# KiCad board handheld.kicad_pcb (continued)
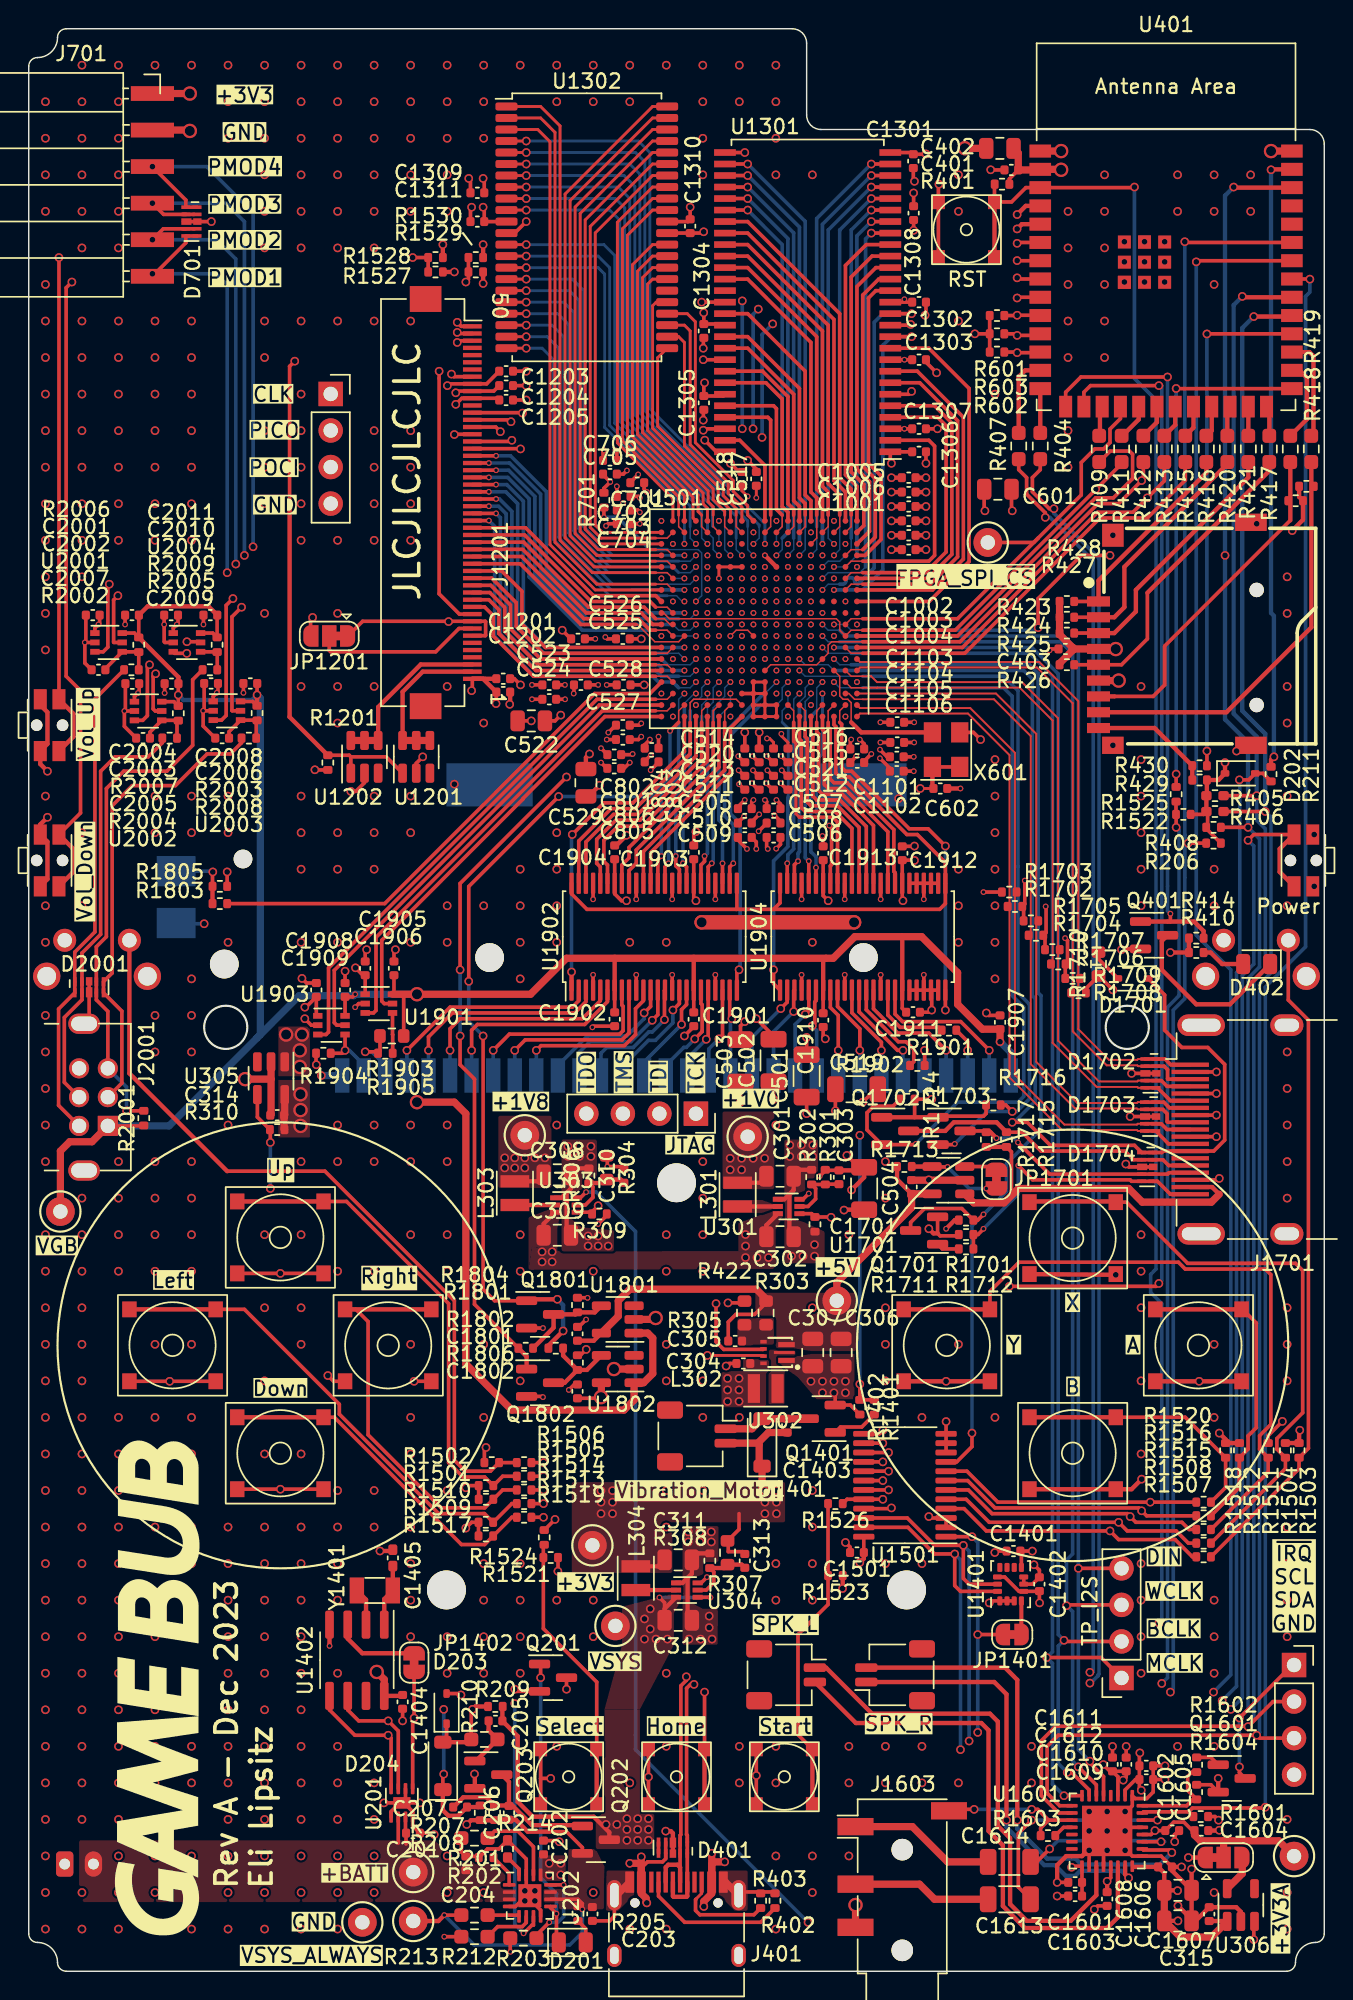
[diagram p0: board, top side]
## Routing (per net, layer and track width the routed paths; a pad name or vN(x,y) marks a point on that pad's centre or on a via; arc(x,y) is an arc through that point) (continued)
/Buttons/BTN_Right_s: length 28.8
  F.Cu (SIG) w0.25: R1514.2 32.96,33.45 R1510.2 31.72,32.2 28.68,32.2 23.6,37.28 23.6,45.15 22.75,46 SW1506.1
  F.Cu (SIG) w0.3: SW1506.1 SW1506.1
/Buttons/BTN_Select_s: length 19.5
  F.Cu (SIG) w0.25: 35.79,29.58 R1521.2 35.79,23.81 39.5,20.1 SW1511.1
  F.Cu (SIG) w0.3: SW1511.1 SW1511.1
/Buttons/BTN_Start_s: length 22.2
  F.Cu (SIG) w0.25: R1526.2 55.59,25.49 53.5,23.4 53.5,16.44 SW1513.1
  F.Cu (SIG) w0.3: SW1513.1 SW1513.1
/Buttons/BTN_Up_s: length 34.4
  F.Cu (SIG) w0.25: R1505.2 32.96,34.4 R1501.2 31.71,34.35 30.2,34.35 29.2,35.35 29.2,46.4 22.1,53.5 SW1501.1
  F.Cu (SIG) w0.3: SW1501.1 SW1501.1
/Buttons/BTN_Vol_Down_s: length 73.2
  F.Cu (SIG) w0.25: SW1515.1 3.6,80.5 3.6,89 2.6,90 2.6,117 v2(3,117.4) ; v2(30.4,117.4) 30.58,117.58 R1529.2 R1530.2
  F.Cu (SIG) w0.3: SW1515.1 3.1,76.4 3.1,78 SW1515.1
  In2.Cu (SIG) w0.25: v2(30.4,117.4) v2(3,117.4)
/Buttons/BTN_Vol_Up_s: length 61.8
  F.Cu (SIG) w0.25: R1527.2 R1528.2 v2(26.7,119.1) ; v2(2.1,119.1) SW1514.1
  F.Cu (SIG) w0.3: SW1514.1 3.1,87.4 3.1,85.8 SW1514.1
  In2.Cu (SIG) w0.25: v2(26.7,119.1) v2(2.1,119.1)
/Buttons/BTN_X_s: length 43.1
  F.Cu (SIG) w0.25: SW1504.1 76.35,53.45 80.6,49.2 88.1,49.2 88.6,48.7 88.6,38.81 86.81,37.02 86.81,36.28 R1504.2 87.4,34.93 R1508.2
  F.Cu (SIG) w0.3: 69.6,53.5 75.6,53.5
/Buttons/BTN_Y_s: length 47.9
  F.Cu (SIG) w0.25: SW1507.1 66.85,47.25 68.88,49.28 79.96,49.28 80.43,48.8 86,48.8 86.38,48.42 86.38,38 85.6,37.22 85.6,36.28 R1511.2 86.2,34.68 R1515.2
  F.Cu (SIG) w0.3: SW1507.1 SW1507.1
/ESP32-S3/ESP32_SDIO_CLK: length 1.8
  F.Cu (SIG) w0.3: R417.1 86.28,108.55
/ESP32-S3/ESP32_SDIO_CMD: length 2
  F.Cu (SIG) w0.3: R421.1 84.82,108.73
/ESP32-S3/ESP32_SDIO_D0: length 5.2
  F.Cu (SIG) w0.3: 88.38,111.26 88.9,110.74 88.9,107.87 R418.2
/ESP32-S3/ESP32_SDIO_D1: length 7
  F.Cu (SIG) w0.3: U401.29 89.07,112.53 89.35,112.25 89.35,106.86
/ESP32-S3/ESP32_SDIO_D2: length 2.2
  F.Cu (SIG) w0.3: 81.91,106.71 82.28,107.08 U401.23
/ESP32-S3/ESP32_SDIO_D3: length 1.8
  F.Cu (SIG) w0.3: R420.1 83.36,108.56
/ESP32-S3/ESP32_SPI2_CLK: length 2.4
  F.Cu (SIG) w0.3: R412.1 78.47,107.66 U401.20
/ESP32-S3/ESP32_SPI2_D0: length 2.5
  F.Cu (SIG) w0.3: U401.19 77.19,107.85 76.06,106.71
/ESP32-S3/ESP32_SPI2_D1: length 2.3
  F.Cu (SIG) w0.3: R413.1 79.74,107.47 79.74,108.74
/ESP32-S3/ESP32_SPI2_D2: length 2.3
  F.Cu (SIG) w0.3: U401.22 81,107.28 R415.1
/ESP32-S3/ESP32_SPI2_D3: length 1.9
  F.Cu (SIG) w0.3: 74.5,106.71 74.5,108.59
/ESP32-S3/ESP32_USB_D+: length 3
  F.Cu (SIG) w0.3: U401.14 70.35,106.96
/ESP32-S3/ESP32_USB_D-: length 5.6
  F.Cu (SIG) w0.3: U401.13 69.3,111.26 68.85,110.81 R407.1
/ESP32-S3/SD_Detect: length 35.9
  F.Cu (SIG) w0.25: v2(81.94,113.79) 81.95,113.8 U401.30 ; R430.2 v2(81.94,84.8)
  B.Cu (SIG) w0.25: v2(81.94,113.79) v2(81.94,84.8)
/ESP32-S3/SD_Detect_s: length 8.6
  F.Cu (SIG) w0.3: J402.9 78.3,86.4 R430.1 R429.1
/ESP32-S3/SDIO_CLK: length 21.6
  F.Cu (SIG) w0.25: 77.8,95.8 77.8,92.6 76,90.8 J402.5 R426.2
  F.Cu (SIG) w0.3: 77.8,95.8 86.28,104.28 R417.2
/ESP32-S3/SDIO_CMD: length 18.5
  F.Cu (SIG) w0.25: R425.2 J402.3
  F.Cu (SIG) w0.3: J402.3 75.5,93 77,94.5 77,96 84.82,103.82 R421.2
/ESP32-S3/SDIO_D0: length 24
  F.Cu (SIG) w0.25: 87.74,100.84 79,92.1 79,89.4 78.2,88.6 75.5,88.6
  F.Cu (SIG) w0.3: 75.5,88.6 J402.7 ; R418.1 87.74,100.84
/ESP32-S3/SDIO_D1: length 28.7
  F.Cu (SIG) w0.3: J402.8 83.3,87.5 89.2,93.4 R419.1
/ESP32-S3/SDIO_D2: length 14.5
  F.Cu (SIG) w0.25: R423.2 J402.1
  F.Cu (SIG) w0.3: J402.1 74.4,96.65 81.9,104.15 R416.2
/ESP32-S3/SDIO_D3/~{CS}: length 16.7
  F.Cu (SIG) w0.25: R424.2 J402.2
  F.Cu (SIG) w0.3: J402.2 75.5,94.1 76.2,94.8 76.2,97.6 83.36,104.76
/ESP32-S3/STATUS_LED: length 51.6
  F.Cu (SIG) w0.25: v2(79.2,110.8) 73.18,110.8 72.12,109.74 72.12,108.74 ; v1(79.4,73.5) 79.4,72.95
  F.Cu (SIG) w0.3: R414.2 81.71,72.29 81.05,72.95 Q401.1
  B.Cu (SIG) w0.25: v1(79.4,73.5) 79.2,73.7 v2(79.2,110.8)
/ESP32-S3/Status_LED_A: length 3.1
  F.Cu (SIG) w0.3: R410.2 82.2,70.8 83,70 D402.2
/ESP32-S3/Status_LED_K: length 12.3
  F.Cu (SIG) w0.3: D402.1 83.54,67.2 81.2,67.2 78.8,69.6 78.8,71.6 Q401.3
/ESP32-S3/USB_CC1: length 10.4
  F.Cu (SIG) w0.25: 52,4.49 50.91,3.4 45.62,3.4 43.8,5.22 J401.A5
/ESP32-S3/USB_CC2: length 7.1
  F.Cu (SIG) w0.2: 46.4,5 46.4,5.01 46.8,5.41 J401.B5
  F.Cu (SIG) w0.25: 46.4,5 46.38,4.97 46.38,4.22 46.68,3.93 50.44,3.93 51,4.49
/ESP32-S3/USB_D+: length 132.9
  F.Cu (SIG) w0.25: v2(71.3,101.64) 70.98,101.64 69.8,102.83 69.8,103.81 70.35,104.36 R404.2 ; v2(46.27,19.93) 46.02,19.93 45.75,19.67 45.75,9.49 45.8,9.44 D401.1 D401.10 J401.B6
  F.Cu (SIG) w0.3: J401.A6 44.8,5.22 44.85,5.17 45.75,5.17 45.8,5.22 J401.B6
  In2.Cu (SIG) w0.25: v2(73.8,20.03) 73.62,20.2 46.28,20.2 46.27,20.18 v2(46.27,19.93) 46.4,20.07
  B.Cu (SIG) w0.25: v2(73.8,20.03) 73.97,20.2 74.04,20.2 74.38,20.54 74.38,20.6 74.43,20.66 74.43,98.19 71.3,101.33 v2(71.3,101.64)
/ESP32-S3/USB_D-: length 131.7
  F.Cu (SIG) w0.25: 45.3,7.22 D401.9 D401.2 45.3,9.44 45.35,9.49 45.35,19.83 45.73,20.22 v2(45.73,20.47) ; R407.2 68.85,104.36 69.4,103.81 69.4,102.66 70.7,101.36 v2(70.7,101.04)
  F.Cu (SIG) w0.3: J401.B7 44.3,7.22 44.48,7.4 45.12,7.4 45.3,7.22 J401.A7
  In2.Cu (SIG) w0.25: v2(73.8,20.78) 73.62,20.6 46.12,20.6 45.98,20.47 v2(45.73,20.47)
  B.Cu (SIG) w0.25: v2(73.8,20.78) 73.98,20.78 74.03,20.82 74.03,98.03 71.02,101.04 v2(70.7,101.04)
/FPGA Config/FPGA_JTAG_TCK: length 41.6
  In2.Cu (SIG) w0.1: 49.6,88.8 50,89.2 50,90 v1(50.4,90.4)
  In2.Cu (SIG) w0.25: 49.6,88.8 49.6,87.36 48.4,86.16 48.4,83.1 46.1,80.8 41.4,80.8 41,80.4 41,61.8 41.4,61.4 44.6,61.4 J601.1
/FPGA Config/FPGA_JTAG_TDI: length 39.6
  In2.Cu (SIG) w0.1: v1(49.6,90.4) 49.2,90 49.2,88.4
  In2.Cu (SIG) w0.25: J601.2 42.46,61 41,61 40.6,61.4 40.6,80.8 41,81.2 45.93,81.2 48,83.27 48,87.2 49.2,88.4
/FPGA Config/FPGA_JTAG_TDO: length 37.7
  In2.Cu (SIG) w0.1: v1(48,90.4) 48,90.13 47.6,89.73 47.6,88.4
  In2.Cu (SIG) w0.25: 47.6,88.4 47.2,88 47.2,83.6 45.6,82 40.4,82 39.8,81.4 39.8,60.62 J601.4
/FPGA Config/FPGA_JTAG_TMS: length 37.9
  In2.Cu (SIG) w0.1: v1(48.8,90.4) 48.4,90 48.4,88.4
  In2.Cu (SIG) w0.25: 48.4,88.4 47.6,87.6 47.6,83.43 45.77,81.6 40.6,81.6 40.2,81.2 40.2,60.72 J601.3
/FPGA IO Bank 14/FPGA_PUDC_B: length 12
  F.Cu (SIG) w0.25: R701.1 v1(40,101.05)
  B.Cu (SIG) w0.1: 44.4,98.8 46.57,98.8 46.8,98.57 46.8,95.6 v1(46.4,95.2)
  B.Cu (SIG) w0.25: 44.4,98.8 43.2,98.8 40.95,101.05 v1(40,101.05)
/FPGA IO Bank 14/PMOD_1: length 64
  F.Cu (SIG) w0.25: J701.6 10.92,120.12 D701.5 D701.6
  In2.Cu (SIG) w0.1: 43.6,97.2 44.4,97.2 45.2,96.4 46.8,96.4 v1(47.2,96)
  In2.Cu (SIG) w0.25: 43.6,97.2 v2(13.8,97.2)
  B.Cu (SIG) w0.25: v2(13.8,97.2) 13.8,117.2 13.03,117.97 v2(8.6,117.97)
/FPGA IO Bank 14/PMOD_2: length 64.2
  F.Cu (SIG) w0.25: D701.4 9.36,121.1 v2(8.6,120.34) ; 10.72,121.1 11.5,121.1
  In2.Cu (SIG) w0.1: 45.2,97.2 46.8,97.2 v1(47.2,96.8)
  In2.Cu (SIG) w0.25: 45.2,97.2 44.8,97.6 14.6,97.6 v2(14.4,97.8)
  B.Cu (SIG) w0.25: v2(8.6,120.34) 13.06,120.34 14.4,119 v2(14.4,97.8)
/FPGA IO Bank 14/PMOD_3: length 66.1
  F.Cu (SIG) w0.25: D701.2 9.38,122.1 v2(8.6,122.88) ; 10.72,122.1 11.5,122.1
  In2.Cu (SIG) w0.1: v1(47.2,97.6) 46.8,98 45.2,98
  In2.Cu (SIG) w0.25: 45.2,98 15.4,98 v2(15,98.4)
  B.Cu (SIG) w0.25: v2(8.6,122.88) 13.72,122.88 15,121.6 v2(15,98.4)
/FPGA IO Bank 14/PMOD_4: length 71.4
  F.Cu (SIG) w0.25: v2(8.6,125.42) 10.92,123.09 D701.1 D701.10
  In2.Cu (SIG) w0.1: 45.2,98.8 47.4,98.8 47.6,98.6 47.6,96.4 v1(48,96)
  In2.Cu (SIG) w0.25: 45.2,98.8 44.8,98.4 16.2,98.4 v2(15.6,99)
  B.Cu (SIG) w0.25: v2(15.6,99) 15.6,122.2 12.38,125.42 v2(8.6,125.42)
/FPGA IO Bank 16/BANK16_VCCO: length 11.2
  F.Cu (SIG) w0.2: U501.B10 U501.B8 U501.A8 U501.A10 U501.D10 U501.D9 U501.A9 ; U501.C9 U501.C10
  F.Cu (SIG) w0.25: U501.C11 U501.C10
/Game Boy Interfaces/Game Boy Cartridge/Cart_A16: length 9.5
  F.Cu (SIG) w0.25: U1902.12 43.25,67.05 v2(42.8,66.6)
  B.Cu (SIG) w0.25: 36.8,62.95 38.85,65 41.6,65 42.8,66.2 v2(42.8,66.6)
/Game Boy Interfaces/Game Boy Cartridge/Cart_A17: length 12.4
  F.Cu (SIG) w0.25: U1902.11 42.75,67.45 42.2,66.9 42.2,65.1 41.43,64.33 35.63,64.33 v2(35.3,64)
  B.Cu (SIG) w0.25: J1901.23 v2(35.3,64)
/Game Boy Interfaces/Game Boy Cartridge/Cart_A18: length 13.2
  F.Cu (SIG) w0.25: v2(33.8,64) 34.53,64.73 41.26,64.73 41.75,65.22 U1902.9
  B.Cu (SIG) w0.25: J1901.24 v2(33.8,64)
/Game Boy Interfaces/Game Boy Cartridge/Cart_A19: length 14.2
  F.Cu (SIG) w0.25: U1902.8 41.25,67.15 41.34,67.06 41.34,65.37 41.1,65.13 33.43,65.13 v2(32.3,64)
  B.Cu (SIG) w0.25: J1901.25 v2(32.3,64)
/Game Boy Interfaces/Game Boy Cartridge/Cart_A20: length 14.2
  F.Cu (SIG) w0.25: U1902.6 40.25,67.38 38.67,65.8 31.2,65.8 30.8,65.4 v2(30.8,64)
  B.Cu (SIG) w0.25: J1901.26 v2(30.8,64)
/Game Boy Interfaces/Game Boy Cartridge/Cart_A21: length 15.2
  F.Cu (SIG) w0.25: U1902.5 39.75,67.45 38.5,66.2 30,66.2 29.3,65.5 v2(29.3,64)
  B.Cu (SIG) w0.25: J1901.27 v2(29.3,64)
/Game Boy Interfaces/Game Boy Cartridge/Cart_A22: length 15.5
  F.Cu (SIG) w0.25: U1902.3 38.75,67.38 37.97,66.6 29.47,66.6 27.8,64.93 v2(27.8,64)
  B.Cu (SIG) w0.25: J1901.28 v2(27.8,64)
/Game Boy Interfaces/Game Boy Cartridge/Cart_A23: length 15.9
  F.Cu (SIG) w0.25: U1902.2 38.25,67.45 37.8,67 29.3,67 v2(26.3,64)
  B.Cu (SIG) w0.25: J1901.29 v2(26.3,64)
/Game Boy Interfaces/Game Boy Cartridge/Cart_AD0: length 7.4
  F.Cu (SIG) w0.25: v2(60.8,64) 60.43,64 57.75,66.68 U1904.12
  B.Cu (SIG) w0.25: J1901.6 v2(60.8,64)
/Game Boy Interfaces/Game Boy Cartridge/Cart_AD1: length 6.8
  F.Cu (SIG) w0.25: U1904.11 57.25,66.61 59.3,64.56 v2(59.3,64)
  B.Cu (SIG) w0.25: J1901.7 v2(59.3,64)
/Game Boy Interfaces/Game Boy Cartridge/Cart_AD2: length 6.6
  F.Cu (SIG) w0.25: v2(57.8,64) 57.8,65.5 56.25,67.05 U1904.9
  B.Cu (SIG) w0.25: J1901.8 v2(57.8,64)
/Game Boy Interfaces/Game Boy Cartridge/Cart_AD3: length 6.2
  F.Cu (SIG) w0.25: U1904.8 55.75,66.98 56.3,66.43 v2(56.3,64)
  B.Cu (SIG) w0.25: J1901.9 v2(56.3,64)
/Game Boy Interfaces/Game Boy Cartridge/Cart_AD4: length 6.2
  F.Cu (SIG) w0.25: v2(54.49,65.7) 54.66,65.87 54.66,67.37 54.75,67.45 U1904.6
  B.Cu (SIG) w0.25: v2(54.49,65.7) 54.8,65.39 J1901.10
/Game Boy Interfaces/Game Boy Cartridge/Cart_AD5: length 6.3
  F.Cu (SIG) w0.25: v2(54,66.5) 54.25,66.75 U1904.5
  B.Cu (SIG) w0.25: v2(54,66.5) 53.3,65.8 J1901.11
/Game Boy Interfaces/Game Boy Cartridge/Cart_AD6: length 6.5
  F.Cu (SIG) w0.25: v2(53.2,66.7) 53.2,68.14 U1904.3
  B.Cu (SIG) w0.25: v2(53.2,66.7) 51.8,65.3 J1901.12
/Game Boy Interfaces/Game Boy Cartridge/Cart_AD7: length 7
  F.Cu (SIG) w0.25: U1904.2 52.75,67.35 v2(52.3,66.9)
  B.Cu (SIG) w0.25: J1901.13 50.3,64.9 v2(52.3,66.9)
/Game Boy Interfaces/Game Boy Cartridge/Cart_AD8: length 6
  F.Cu (SIG) w0.25: v2(48.9,66.2) 48.75,66.35 U1902.23
  B.Cu (SIG) w0.25: J1901.14 48.8,66.1 v2(48.9,66.2)
/Game Boy Interfaces/Game Boy Cartridge/Cart_AD9: length 6.3
  F.Cu (SIG) w0.25: U1902.22 48.25,65.05 v2(48,64.8)
  B.Cu (SIG) w0.25: v2(48,64.8) 47.3,64.1 J1901.15
/Game Boy Interfaces/Game Boy Cartridge/Cart_AD10: length 6.5
  F.Cu (SIG) w0.25: U1902.20 47.25,64.9 v2(47.12,64.77)
  B.Cu (SIG) w0.25: J1901.16 45.8,63.45 v2(47.12,64.77)
/Game Boy Interfaces/Game Boy Cartridge/Cart_AD11: length 7.1
  F.Cu (SIG) w0.25: v2(46.32,64.79) 46.84,65.31 46.84,67.17 46.75,67.25 U1902.19
  B.Cu (SIG) w0.25: J1901.17 44.3,62.95 45.56,64.21 45.73,64.21 v2(46.32,64.79)
/Game Boy Interfaces/Game Boy Cartridge/Cart_AD12: length 6.2
  F.Cu (SIG) w0.25: U1902.17 45.75,67.18 45.4,66.83 v2(45.4,65.8)
  B.Cu (SIG) w0.25: 42.8,63.2 v2(45.4,65.8)
/Game Boy Interfaces/Game Boy Cartridge/Cart_AD13: length 7.2
  F.Cu (SIG) w0.25: v2(44.8,66.8) 45.25,67.25 U1902.16
  B.Cu (SIG) w0.25: v2(44.8,66.8) 44.8,65.91 43.59,64.7 43.1,64.7 41.3,62.9
/Game Boy Interfaces/Game Boy Cartridge/Cart_AD14: length 9
  F.Cu (SIG) w0.25: v2(44.21,66.14) 44.21,68.15 U1902.14
  B.Cu (SIG) w0.25: J1901.20 39.8,63.8 40.2,64.2 42.04,64.2 43.12,65.28 43.37,65.28 44.21,66.13 v2(44.21,66.14)
/Game Boy Interfaces/Game Boy Cartridge/Cart_AD15: length 9.9
  F.Cu (SIG) w0.25: U1902.13 43.75,66.48 v2(43.36,66.09)
  B.Cu (SIG) w0.25: v2(43.36,66.09) 41.87,64.6 39.02,64.6 38.3,63.88 J1901.21
/Game Boy Interfaces/Game Boy Cartridge/Cart_PHI: length 11
  F.Cu (SIG) w0.25: v2(66.8,64) 66.8,64.01 64.81,66 60.77,66 60.25,66.52 U1904.17
  B.Cu (SIG) w0.25: J1901.2 v2(66.8,64)
/Game Boy Interfaces/Game Boy Cartridge/Cart_VIN: length 3.9
  F.Cu (SIG) w0.25: U1903.4 v2(22,64) 21.8,63.8 R1904.2
  B.Cu (SIG) w0.25: 23.3,63 22.3,64 v2(22,64)
/Game Boy Interfaces/Game Boy Cartridge/Cart_~{CS1}: length 7
  F.Cu (SIG) w0.25: U1904.13 58.25,66.82 60.47,64.6 61.01,64.6 61.55,64.06 61.55,63.21 R1902.1
/Game Boy Interfaces/Game Boy Cartridge/Cart_~{CS1}_d: length 2.8
  F.Cu (SIG) w0.25: v2(62.3,64) 62.31,63.99 R1902.2
  B.Cu (SIG) w0.25: J1901.5 v2(62.3,64)
/Game Boy Interfaces/Game Boy Cartridge/Cart_~{CS2}: length 2.8
  F.Cu (SIG) w0.25: U1901.4 25.3,65.1 25.31,65.09 R1905.2
/Game Boy Interfaces/Game Boy Cartridge/Cart_~{CS2}_d: length 3.6
  F.Cu (SIG) w0.25: v2(23.4,63.9) 24.19,63.9 ; R1903.2 24.42,63.94
  B.Cu (SIG) w0.25: 24.8,62.95 23.85,63.9 v2(23.4,63.9)
/Game Boy Interfaces/Game Boy Cartridge/Cart_~{RD}: length 9.3
  F.Cu (SIG) w0.25: v2(63.8,64) 62.6,65.2 60.44,65.2 58.75,66.89 U1904.14
  B.Cu (SIG) w0.25: J1901.4 v2(63.8,64)
/Game Boy Interfaces/Game Boy Cartridge/Cart_~{WR}: length 5.9
  F.Cu (SIG) w0.25: R1901.2 63.29,65.6 60.6,65.6 59.75,66.45 U1904.16
/Game Boy Interfaces/Game Boy Cartridge/Cart_~{WR}_d: length 3.5
  F.Cu (SIG) w0.25: R1901.1 65.3,64.61 v2(65.3,64)
  B.Cu (SIG) w0.25: J1901.3 v2(65.3,64)
/Game Boy Interfaces/Game Boy Link/Link_SC: length 2.3
  F.Cu (SIG) w0.25: R2005.2 13.11,91.67 ; U2004.4 13.08,91.7
/Game Boy Interfaces/Game Boy Link/Link_SC_a: length 37.5
  F.Cu (SIG) w0.25: J2001.5 5.5,66.71 4.7,67.51 D2001.4 D2001.7 4.7,71.2 5.4,71.9 5.4,82.2 6.6,83.4 9.6,83.4 11.4,85.2 11.4,89.76 R2005.1 ; v2(6.8,59.8) R2001.2
  B.Cu (SIG) w0.25: J2001.5 6.8,61.45 v2(6.8,59.8)
/Game Boy Interfaces/Game Boy Link/Link_SD: length 3.8
  F.Cu (SIG) w0.25: R2004.2 10.31,86.83 ; C2005.1 8.43,86.11 9.25,86.94 10.38,86.94
/Game Boy Interfaces/Game Boy Link/Link_SD_a: length 29.6
  F.Cu (SIG) w0.25: J2001.4 2.47,61.78 2.47,66.29 3.7,67.51 D2001.2 D2001.9 3.7,70.76 5,72.06 5,83.4 6,84.4 8.31,84.4 9.29,85.38 R2004.1
/Game Boy Interfaces/Game Boy Link/Link_SI: length 3.9
  F.Cu (SIG) w0.25: 15.86,86.95 U2003.4 13.93,86.15 C2006.1 ; R2003.2 15.82,86.87
/Game Boy Interfaces/Game Boy Link/Link_SI_a: length 32.6
  F.Cu (SIG) w0.25: J2001.3 6.47,61.72 6.47,66.72 D2001.5 D2001.6 5.8,69.38 5.8,81 7.2,82.4 10.2,82.4 12.4,84.6 14.02,84.6 14.8,85.38 R2003.1
/Game Boy Interfaces/Game Boy Link/Link_SO: length 4
  F.Cu (SIG) w0.25: 5.33,90.53 U2001.4 7.63,91.7 ; R2002.2 R2006.2
/Game Boy Interfaces/Game Boy Link/Link_SO_a: length 34.2
  F.Cu (SIG) w0.25: R2002.1 4.6,88.42 4.6,72.23 3.2,70.83 D2001.10 D2001.1 2.07,66.87 2.07,60.18 J2001.2
/Game Boy Interfaces/SW_Cartridge_s: length 4.8
  F.Cu (SIG) w0.25: R1805.1 12.78,76.38
  F.Cu (SIG) w0.3: R1805.1 R1803.2
  B.Cu (SIG) w0.25: 10.2,76.45 12.75,76.45 v2(12.8,76.4)
/Game Boy Interfaces/VGB_3V3_SW_En: length 6
  F.Cu (SIG) w0.3: R1804.2 37.16,42.79 R1806.2 ; R1806.2 38.81,41.79 39.82,42.8 ; R1806.2 37.27,40.9 Q1802.3
/Game Boy Interfaces/VGB_5V_SW_En: length 6.5
  F.Cu (SIG) w0.3: R1801.2 36.5,44.73 Q1801.3 38.02,45.65 R1802.2 39.37,45.79 39.82,46.25
/HDMI/HDMI_5V_EN: length 5.8
  F.Cu (SIG) w0.25: v1(63.9,55.9) 62.85,55.9
  F.Cu (SIG) w0.3: 62.82,55.92 R1713.2
  B.Cu (SIG) w0.25: v1(66.6,54.4) 65.4,54.4 v1(63.9,55.9)
/HDMI/HDMI_5V_FLG: length 2
  F.Cu (SIG) w0.25: U1701.3 67.07,55.92
/HDMI/HDMI_+5V: length 26
  F.Cu (SIG) w0.25: 68.34,54.09 68.34,56.94 R1715.1
  F.Cu (SIG) w0.3: 82.8,54 82.3,54.5 J1701.18 ; R1717.1 R1715.1
  F.Cu (SIG) w0.5: U1701.1 65.72,53.4 67.83,53.4 68.83,54.4 76.5,54.4 77.45,53.45 82.25,53.45 82.8,54
/HDMI/HDMI_CEC_DA: length 2.4
  F.Cu (SIG) w0.25: D1701.2 74.4,70.35 R1710.2
/HDMI/HDMI_HPD: length 20.1
  F.Cu (SIG) w0.25: v1(68.82,56) 69.82,55 76.6,55 76.7,54.9 D1704.5 78.5,54.9 79.4,54 J1701.19 ; R1711.2 R1712.1 66.02,51.2 66.4,51.58 v1(66.4,51.6)
  B.Cu (SIG) w0.25: v1(66.4,51.6) 68.82,54.02 v1(68.82,56)
/HDMI/HDMI_HPD_g: length 1.6
  F.Cu (SIG) w0.25: Q1701.1 63.54,50.2 R1711.1
/HDMI/HDMI_SCL_LS: length 21.1
  F.Cu (SIG) w0.25: J1701.15 79.28,56 78.88,56.4 D1704.2 76.84,56.4 76.24,57 70.4,57 69.09,58.31 R1715.2
  F.Cu (SIG) w0.3: Q1702.3 63.74,58.4 64.34,59 67.31,59 R1715.2
/HDMI/HDMI_SDA_LS: length 16.8
  F.Cu (SIG) w0.25: Q1703.3 66.5,58.4 ; v1(68.8,57.6) 71,55.4 D1704.4 79.21,55.4 79.31,55.5 J1701.16
  F.Cu (SIG) w0.3: R1717.2 66.89,58.31 v1(67.3,57.9)
  B.Cu (SIG) w0.25: v1(68.8,57.6) 68.5,57.9 v1(67.3,57.9)
/LCD/Backlight_Cathode_1: length 10.7
  F.Cu (SIG) w0.3: U1201.6 26,88.92 27.4,90.32 J1201.2
  F.Cu (SIG) w0.5: U1201.4 U1201.5 U1201.6
/LCD/Backlight_Cathode_2: length 12
  F.Cu (SIG) w0.3: U1202.4 24.3,87.86 27.26,90.82 J1201.3
  F.Cu (SIG) w0.5: U1202.6 U1202.5 U1202.4
/LCD/LCD_IM1: length 11.7
  F.Cu (SIG) w0.25: JP1201.2 20.9,91.8 21,91.7 28.3,91.7 29.92,93.32 J1201.8
/Peripherals/IMU_INT: length 4.2
  F.Cu (SIG) w0.25: 69.04,23.91 U1401.4 69.04,23.41
/Peripherals/RTC_INT: length 6
  F.Cu (SIG) w0.3: U1402.3 22.19,23.11 23.2,22.1 JP1402.1
/Peripherals/RTC_OSCI: length 4.2
  F.Cu (SIG) w0.3: 25.32,28.06 Y1401.1 24.73,25.87 U1402.1
/Peripherals/RTC_OSCO: length 2.6
  F.Cu (SIG) w0.3: Y1401.2 23.46,25.83 U1402.2
/Peripherals/Vibrate_FET_g: length 3.2
  F.Cu (SIG) w0.25: R1401.2 57.94,37.83 56.46,37.83 Q1401.1
/Peripherals/Vibrate_N: length 6
  F.Cu (SIG) w0.5: Q1401.3 C1403.1 D1401.2 50.3,37.7 J1401.1
/Power Path/BTN_Power_s: length 134.2
  F.Cu (SIG) w0.25: D204.1 28.8,13.64 v2(28.86,13.7) ; SW201.1 85.2,79 v2(84.8,78.6)
  F.Cu (SIG) w0.3: SW201.1 87,78 87,76.4 SW201.1 ; D204.1 28.8,11.19 29.19,10.8 29.87,10.8 C207.2 31.29,11.41
  In2.Cu (SIG) w0.25: v2(83.6,18.2) 83,17.6 29.46,17.6 v2(28.86,18.2)
  B.Cu (SIG) w0.25: v2(28.86,13.7) v2(28.86,18.2) ; v2(83.6,18.2) 84.4,19 84.4,69.2 85.2,70 85.2,78.2 v2(84.8,78.6)
/Power Path/Charge_LED_A: length 1.7
  F.Cu (SIG) w0.25: R205.2 38.74,2.95 D201.2
/Power Path/PWR_EN1: length 3.5
  F.Cu (SIG) w0.25: U202.6 34.6,3.38 34.32,3.1 32.61,3.1 R212.2
/Power Path/PWR_EN2: length 2.2
  F.Cu (SIG) w0.25: U202.5 34.01,3.9 R213.2
/Power Path/PWR_ILIM: length 5.5
  F.Cu (SIG) w0.25: 35.31,2.51 v1(36.2,3.4) ; U202.12 v1(37.2,6)
  B.Cu (SIG) w0.25: v1(37.2,6) 37.2,3.8 36.8,3.4 v1(36.2,3.4)
/Power Path/PWR_ISET: length 1.5
  F.Cu (SIG) w0.25: R214.2 34.1,7.1 U202.16
/Power Path/PWR_SW_nFET_g: length 3.7
  F.Cu (SIG) w0.3: C205.2 31.98,16.73 R210.1 31.1,14.61
/Power Path/PWR_SW_pFET_g: length 12.3
  F.Cu (SIG) w0.3: Q203.3 33.4,13.16 C206.2 33.66,11.49 35,10.15 38.44,10.15 ; 29.54,11.41 30.22,12.09 31.83,12.09 R208.2 33.37,11.52
/Power Path/PWR_TMR: length 5.8
  F.Cu (SIG) w0.25: U202.14 35.1,8.65 34.02,9.73 32.4,9.73 R201.1
/Power Path/PWR_TS: length 2.4
  F.Cu (SIG) w0.25: R202.1 33.41,6.81 U202.1
/Power Path/~{CHG}: length 20.2
  F.Cu (SIG) w0.25: v2(35.6,20.4) 35.6,21.28 ; 36.7,2.16 v1(36.7,4) 36.29,4.41 U202.9
  B.Cu (SIG) w0.25: v1(36.7,4) 36.7,5.39 35.6,6.49 v2(35.6,20.4)
/Power Path/~{POWER_SW_a}: length 126.2
  F.Cu (SIG) w0.25: v2(84.2,82.8) 84.85,82.8 D202.2 85.84,83.25 R211.1 ; R210.2 30.78,18.12 v2(30.86,18.2) ; D203.1 29.06,16.18 D204.2
  F.Cu (SIG) w0.3: D204.2 30.59,15.92 ; R209.2 31.06,18.4 v2(30.86,18.2)
  In2.Cu (SIG) w0.25: v2(30.86,18.2) 31.06,18 82.2,18 v2(83,18.8)
  B.Cu (SIG) w0.25: v2(84.2,82.8) 84.22,82.78 84.22,69.62 84,69.4 84,19.8 v2(83,18.8)
/Power Regulators/Buck_1V0_FB: length 4.3
  F.Cu (SIG) w0.25: R301.2 R302.1 54.72,54.41 54.72,53.67 54.2,53.15 U301.5 ; C303.1 55.42,54.7
/Power Regulators/Buck_1V0_SW: length 2.8
  F.Cu (SIG) w0.3: U301.2 L301.1
/Power Regulators/Buck_1V8_FB: length 4.7
  F.Cu (SIG) w0.25: U303.5 38.71,53.25 39.24,53.78 39.24,54.5 R306.1
  F.Cu (SIG) w0.3: R306.1 39.95,54.78 ; C310.1 41.17,55.02 R304.2
/Power Regulators/Buck_1V8_SW: length 2.8
  F.Cu (SIG) w0.3: U303.2 L303.1
/Power Regulators/Buck_3V3_FB: length 4.7
  F.Cu (SIG) w0.25: U304.5 47.12,26.49 47.65,27.02 47.65,27.75 R308.1
  F.Cu (SIG) w0.3: C313.1 49.58,28.26 R307.2 ; R308.1 48.36,28.02
/Power Regulators/Buck_3V3_SW: length 2.8
  F.Cu (SIG) w0.3: U304.2 L304.1
/Power Regulators/LDO_+3V3_Out: length 2.6
  F.Cu (SIG) w0.5: U306.5 84.4,6.79 JP301.3
BATT_CHG: length 156.5
  F.Cu (SIG) w0.25: Q201.3 v2(37.4,19.6) ; v2(80.4,120.2) 80.45,120.15 U401.35 ; v2(80.63,78.4) R206.2
  In2.Cu (SIG) w0.25: v2(79.4,19.4) 78.8,18.8 38.2,18.8 v2(37.4,19.6)
  B.Cu (SIG) w0.25: 80.4,76 80.4,78.17 v2(80.63,78.4) 80.4,78.63 80.4,79 ; 80.4,76 80.4,67.6 79.6,66.8 79.6,19.6 v2(79.4,19.4) ; 80.4,76 80.4,79 ; 80.4,79 v2(80.4,120.2)
BTN_A: length 104.6
  F.Cu (SIG) w0.25: U1501.7 65.3,34.1 67.2,32.2 77.2,32.2 v2(77.4,32) 77.75,31.65 R1516.1
  In2.Cu (SIG) w0.1: v1(54.4,96.8) 54.8,97.2 58,97.2
  In2.Cu (SIG) w0.25: v2(77.4,32) 74,35.4 74,96.8 73.6,97.2 58,97.2
BTN_B: length 105.1
  F.Cu (SIG) w0.25: U1501.8 65.25,34.75 67.4,32.6 R1520.1
  In2.Cu (SIG) w0.1: v1(54.4,97.6) 54.8,98 58,98
  In2.Cu (SIG) w0.25: 58,98 74,98 74.4,97.6 74.4,36.2 v2(78,32.6)
BTN_Down: length 112.6
  F.Cu (SIG) w0.25: R1519.1 v2(35.8,31.55) ; U1501.18 v2(59.4,34.1)
  In2.Cu (SIG) w0.1: v1(54.4,92.8) 54.8,92.4 58,92.4
  In2.Cu (SIG) w0.25: v2(35.8,31.55) 35.8,31.6 39.22,35.03 57.2,35.03 58.12,34.1 v2(59.4,34.1) 70.5,34.1 71,34.6 71,70.67 70.2,71.47 70.2,90.77 68.57,92.4 58,92.4
BTN_Home: length 35.7
  F.Cu (SIG) w0.25: U401.27 79.81,109.99 v2(79.8,110) ; R1525.1 v2(79.8,83.2)
  B.Cu (SIG) w0.25: v2(79.8,83.2) v2(79.8,110)
BTN_L: length 107.3
  F.Cu (SIG) w0.25: R1506.1 v2(35.8,35.35) ; U1501.14 v2(59.4,36.7)
  In2.Cu (SIG) w0.1: v1(53.6,92.8) 53.2,92.4 53.2,89.47 53.47,89.2 58,89.2
  In2.Cu (SIG) w0.25: v2(35.8,35.35) 37.07,36.62 59.32,36.62 v2(59.4,36.7) 68.9,36.7 69.4,37.2 69.4,69.67 68,71.07 68,88.8 67.6,89.2 58,89.2
BTN_Left: length 111.4
  F.Cu (SIG) w0.25: R1513.1 v2(35.8,32.5) ; U1501.17 v2(59.8,34.75)
  In2.Cu (SIG) w0.1: 58,91.6 54,91.6 v1(53.6,92)
  In2.Cu (SIG) w0.25: 58,91.6 68.8,91.6 69.8,90.6 69.8,71.3 70.6,70.5 70.6,35.4 69.95,34.75 v2(59.8,34.75) 58.28,34.75 57.6,35.42 38.82,35.42 35.9,32.5 v2(35.8,32.5)
BTN_R: length 102.4
  F.Cu (SIG) w0.25: R1507.1 80.93,28.8 79.73,30 75.8,30 v2(75.2,30.6) 66.6,30.6 65.05,32.15 U1501.4
  In2.Cu (SIG) w0.1: 58,94.8 54.8,94.8 v1(54.4,95.2)
  In2.Cu (SIG) w0.25: 58,94.8 72.4,94.8 72.8,94.4 72.8,32.84 75.04,30.6 v2(75.2,30.6)
BTN_Right: length 107.5
  F.Cu (SIG) w0.25: U1501.16 v2(59.4,35.4) ; R1514.1 v2(35.8,33.45)
  In2.Cu (SIG) w0.1: 58,90.8 54.8,90.8 v1(54.4,91.2)
  In2.Cu (SIG) w0.25: v2(35.8,33.45) 38.18,35.83 58.18,35.83 58.6,35.4 v2(59.4,35.4) 69.4,35.4 70.2,36.2 70.2,70 68.8,71.4 68.8,90.2 68.2,90.8 58,90.8
BTN_Select: length 114.7
  F.Cu (SIG) w0.25: U1501.19 v2(59.8,33.45) ; 35.86,30.66 v2(36.6,31.4)
  In2.Cu (SIG) w0.1: 58,93.2 54.8,93.2 v1(54.4,93.6)
  In2.Cu (SIG) w0.25: v2(36.6,31.4) 36.6,31.8 39.43,34.62 56.6,34.62 57.78,33.45 v2(59.8,33.45) 70.85,33.45 71.4,34 71.4,70.83 71.2,71.03 71.2,90.8 68.8,93.2 58,93.2
BTN_Start: length 93.4
  F.Cu (SIG) w0.25: v2(59.4,32.8) U1501.20 56.91,32.8 R1526.1
  In2.Cu (SIG) w0.1: 58,94 54.8,94 v1(54.4,94.4)
  In2.Cu (SIG) w0.25: v2(59.4,32.8) 71.2,32.8 71.8,33.4 71.8,71 71.6,71.2 71.6,93.6 71.2,94 58,94
BTN_Up: length 105.4
  F.Cu (SIG) w0.25: U1501.15 v2(59.8,36.05) ; R1505.1 v2(35.8,34.4)
  In2.Cu (SIG) w0.1: v1(54.4,90.4) 54.8,90 58,90
  In2.Cu (SIG) w0.25: v2(35.8,34.4) 37.62,36.22 58.6,36.22 58.78,36.05 v2(59.8,36.05) 69.05,36.05 69.8,36.8 69.8,69.83 68.4,71.24 68.4,89.6 68,90 58,90
BTN_VOL_DOWN: length 41
  F.Cu (SIG) w0.3: v2(68.74,121.09) 69.07,121.42 U401.5 ; v2(31.6,120) R1530.1
  In2.Cu (SIG) w0.3: v2(68.74,121.09) 67.34,119.69 39.74,119.69 38.88,120.55 32.15,120.55 v2(31.6,120)
BTN_VOL_UP: length 44.4
  F.Cu (SIG) w0.3: U401.4 69.34,122.69 v2(68.74,122.09) ; v2(28.8,120) R1528.1
  In2.Cu (SIG) w0.3: v2(68.74,122.09) 66.9,120.25 40.58,120.25 39.83,121 29.5,121 28.8,120.3 v2(28.8,120)
BTN_X: length 103.8
  F.Cu (SIG) w0.25: R1508.1 80.65,29.75 79.8,30.6 76.4,30.6 v2(75.8,31.2) 66.8,31.2 65.2,32.8 U1501.5
  In2.Cu (SIG) w0.1: 58,95.6 54,95.6 v1(53.6,95.2)
  In2.Cu (SIG) w0.25: 58,95.6 72.8,95.6 73.2,95.2 73.2,33.63 75.63,31.2 v2(75.8,31.2)
BTN_Y: length 104.6
  F.Cu (SIG) w0.25: U1501.6 65.35,33.45 67,31.8 76.4,31.8 v2(76.6,31.6) 77,31.2 80.2,31.2 80.7,30.7 R1515.1
  In2.Cu (SIG) w0.1: v1(53.6,96) 54,96.4 58,96.4
  In2.Cu (SIG) w0.25: 58,96.4 73.2,96.4 73.6,96 73.6,34.4 76.4,31.6 v2(76.6,31.6)
DAC_BCLK: length 99.8
  F.Cu (SIG) w0.25: J1604.2 72.08,22.92 v2(72,23) ; U1601.7 73.75,12.6 72.53,13.82 v2(72.22,13.82)
  B.Cu (SIG) w0.25: v1(56,92) 69.77,92 71.6,90.17 71.6,23.4 v2(72,23) 71.6,22.6 71.6,14.44 v2(72.22,13.82)
DAC_DIN: length 101.8
  F.Cu (SIG) w0.25: v2(73,28) J1604.4 ; U1601.5 74.75,13.53 73.8,14.48 v2(73.8,14.6)